# Allegro board SG2042_EVB_V2_0.brd

Outline 243.84 x 304.8 mm; copper layers: TOP, GND02, ART03, GND04, ART05, GND06, ART07, PWR08, GND09, ART10, GND11, ART12, GND13, ART14, GND15, BOTTOM. Coordinates in mm from the lower left corner of the outline.
Outline path: 0,301.8 arc(0.88,303.92) 3,304.8 240.84,304.8 arc(242.96,303.92) 243.84,301.8 243.84,3 arc(242.96,0.88) 240.84,0 3,0 arc(0.88,0.88) 0,3 0,301.8

## Design rules (mm)
constraint set DEFAULT: min track width 0.102
net group ASM2812_PCIE_RX0_N: nets ASM2812_PCIE_RX0_N PCIE0_TXM[15]_L
net group ASM2812_PCIE_RX0_P: nets ASM2812_PCIE_RX0_P PCIE0_TXP[15]_L
net group ASM2812_PCIE_RX1_N: nets ASM2812_PCIE_RX1_N PCIE0_TXM[14]_L
net group ASM2812_PCIE_RX1_P: nets ASM2812_PCIE_RX1_P PCIE0_TXP[14]_L
net group ASM2812_PCIE_RX2_N: nets ASM2812_PCIE_RX2_N PCIE0_TXM[13]_L
net group ASM2812_PCIE_RX2_P: nets ASM2812_PCIE_RX2_P PCIE0_TXP[13]_L
net group ASM2812_PCIE_RX3_N: nets ASM2812_PCIE_RX3_N PCIE0_TXM[12]_L
net group ASM2812_PCIE_RX3_P: nets ASM2812_PCIE_RX3_P PCIE0_TXP[12]_L
net group ASM2812_PCIE_RX4_N: nets ASM2812_PCIE_RX4_N PCIE0_TXM[11]_L
net group ASM2812_PCIE_RX4_P: nets ASM2812_PCIE_RX4_P PCIE0_TXP[11]_L
net group ASM2812_PCIE_RX5_N: nets ASM2812_PCIE_RX5_N PCIE0_TXM[10]_L
net group ASM2812_PCIE_RX5_P: nets ASM2812_PCIE_RX5_P PCIE0_TXP[10]_L
net group ASM2812_PCIE_RX6_N: nets ASM2812_PCIE_RX6_N PCIE0_TXM[9]_L
net group ASM2812_PCIE_RX6_P: nets ASM2812_PCIE_RX6_P PCIE0_TXP[9]_L
net group ASM2812_PCIE_RX7_N: nets ASM2812_PCIE_RX7_N PCIE0_TXM[8]_L
net group ASM2812_PCIE_RX7_P: nets ASM2812_PCIE_RX7_P PCIE0_TXP[8]_L
net group ASM2812_PCIE_TX0_N: nets ASM2812_PCIE_TX0_N N23570729
net group ASM2812_PCIE_TX0_P: nets ASM2812_PCIE_TX0_P N23570731
net group ASM2812_PCIE_TX1_N: nets ASM2812_PCIE_TX1_N N23570733
net group ASM2812_PCIE_TX1_P: nets ASM2812_PCIE_TX1_P N23570718
net group ASM2812_PCIE_TX2_N: nets ASM2812_PCIE_TX2_N N23570723
net group ASM2812_PCIE_TX2_P: nets ASM2812_PCIE_TX2_P N23570725
net group ASM2812_PCIE_TX3_N: nets ASM2812_PCIE_TX3_N N23570730
net group ASM2812_PCIE_TX3_P: nets ASM2812_PCIE_TX3_P N23570732
net group ASM2812_PCIE_TX4_N: nets ASM2812_PCIE_TX4_N N23570721
net group ASM2812_PCIE_TX4_P: nets ASM2812_PCIE_TX4_P N23570722
net group ASM2812_PCIE_TX5_N: nets ASM2812_PCIE_TX5_N N23570727
net group ASM2812_PCIE_TX5_P: nets ASM2812_PCIE_TX5_P N23570728
net group ASM2812_PCIE_TX6_N: nets ASM2812_PCIE_TX6_N N23570719
net group ASM2812_PCIE_TX6_P: nets ASM2812_PCIE_TX6_P N23570720
net group ASM2812_PCIE_TX7_N: nets ASM2812_PCIE_TX7_N N23570724
net group ASM2812_PCIE_TX7_P: nets ASM2812_PCIE_TX7_P N23570726
net group DDR0_PLL_TESTOUT: nets DDR0_PLL_TESTOUT_N DDR0_PLL_TESTOUT_P
net group DDR1_PLL_TESTOUT: nets DDR1_PLL_TESTOUT_N DDR1_PLL_TESTOUT_P
net group DDR2_PLL_TESTOUT: nets DDR2_PLL_TESTOUT_N DDR2_PLL_TESTOUT_P
net group DDR3_PLL_TESTOUT: nets DDR3_PLL_TESTOUT_N DDR3_PLL_TESTOUT_P
net group DM1: nets DM1 USB1_DN
net group DM2: nets DM2 USB2_DN
net group DM3: nets DM3 USB3_DN
net group DM4: nets DM4 USB4_DN
net group DM5: nets DM5 USB5_DN
net group DM6: nets DM6 USB6_DN
net group DP1: nets DP1 USB1_DP
net group DP2: nets DP2 USB2_DP_16773809
net group DP3: nets DP3 USB3_DP
net group DP4: nets DP4 USB4_DP
net group DP5: nets DP5 USB5_DP
net group DP6: nets DP6 USB6_DP
net group EMMC_CD_X: nets EMMC_CD_X N18431005
net group EMMC_CLK: nets EMMC_CLK N16879443
net group EMMC_CMD: nets EMMC_CMD N18430898
net group EMMC_DAT0: nets EMMC_DAT0 N18430900
net group EMMC_DAT1: nets EMMC_DAT1 N18430902
net group EMMC_DAT2: nets EMMC_DAT2 N18430904
net group EMMC_DAT3: nets EMMC_DAT3 N18430906
net group EMMC_PWR_EN: nets EMMC_PWR_EN N18430908
net group EMMC_RST_X: nets EMMC_RST_X N18430910
net group EMMC_WP: nets EMMC_WP N18430912
net group HTX0: nets HTX0+ HTX0-
net group HTX1: nets HTX1+ HTX1-
net group HTX2: nets HTX2+ HTX2-
net group HTXC: nets HTXC+ HTXC-
net group PCIE0_0_REFCLK_M: nets N20251336 PCIE0_0_REFCLK_M
net group PCIE0_0_REFCLK_P: nets N20251326 PCIE0_0_REFCLK_P
net group PCIE0_1_REFCLK_M: nets N17216309 PCIE0_1_REFCLK_M
net group PCIE0_1_REFCLK_P: nets N17216290 PCIE0_1_REFCLK_P
net group PCIE0_2_REFCLK_M: nets N17216441 PCIE0_2_REFCLK_M
net group PCIE0_2_REFCLK_P: nets N17216422 PCIE0_2_REFCLK_P
net group PCIE0_3_REFCLK_M: nets N17216271 PCIE0_3_REFCLK_M
net group PCIE0_3_REFCLK_P: nets N17216252 PCIE0_3_REFCLK_P
net group PCIE0_RX[0]: nets PCIE0_RXM[0] PCIE0_RXP[0]
net group PCIE0_RX[1]: nets PCIE0_RXM[1] PCIE0_RXP[1]
net group PCIE0_RX[2]: nets PCIE0_RXM[2] PCIE0_RXP[2]
net group PCIE0_RX[3]: nets PCIE0_RXM[3] PCIE0_RXP[3]
net group PCIE0_RX[4]: nets PCIE0_RXM[4] PCIE0_RXP[4]
net group PCIE0_RX[5]: nets PCIE0_RXM[5] PCIE0_RXP[5]
net group PCIE0_RX[6]: nets PCIE0_RXM[6] PCIE0_RXP[6]
net group PCIE0_RX[7]: nets PCIE0_RXM[7] PCIE0_RXP[7]
net group PCIE0_TXM[0]: nets PCIE0_TXM[0] PCIE0_TXM[0]_L
net group PCIE0_TXM[1]: nets PCIE0_TXM[1] PCIE0_TXM[1]_L
net group PCIE0_TXM[2]: nets PCIE0_TXM[2] PCIE0_TXM[2]_L
net group PCIE0_TXM[3]: nets PCIE0_TXM[3] PCIE0_TXM[3]_L
net group PCIE0_TXM[4]: nets PCIE0_TXM[4] PCIE0_TXM[4]_L
net group PCIE0_TXM[5]: nets PCIE0_TXM[5] PCIE0_TXM[5]_L
net group PCIE0_TXM[6]: nets PCIE0_TXM[6] PCIE0_TXM[6]_L
net group PCIE0_TXM[7]: nets PCIE0_TXM[7] PCIE0_TXM[7]_L
net group PCIE0_TXP[0]: nets PCIE0_TXP[0] PCIE0_TXP[0]_L
net group PCIE0_TXP[1]: nets PCIE0_TXP[1] PCIE0_TXP[1]_L
net group PCIE0_TXP[2]: nets PCIE0_TXP[2] PCIE0_TXP[2]_L
net group PCIE0_TXP[3]: nets PCIE0_TXP[3] PCIE0_TXP[3]_L
net group PCIE0_TXP[4]: nets PCIE0_TXP[4] PCIE0_TXP[4]_L
net group PCIE0_TXP[5]: nets PCIE0_TXP[5] PCIE0_TXP[5]_L
net group PCIE0_TXP[6]: nets PCIE0_TXP[6] PCIE0_TXP[6]_L
net group PCIE0_TXP[7]: nets PCIE0_TXP[7] PCIE0_TXP[7]_L
net group PCIE1_0_REFCLK_M: nets N21574603 PCIE1_0_REFCLK_M
net group PCIE1_0_REFCLK_P: nets N21574591 PCIE1_0_REFCLK_P
net group PCIE1_1_REFCLK_M: nets N17216485 PCIE1_1_REFCLK_M
net group PCIE1_1_REFCLK_P: nets N17216464 PCIE1_1_REFCLK_P
net group PCIE1_2_REFCLK_M: nets N17216403 PCIE1_2_REFCLK_M
net group PCIE1_2_REFCLK_P: nets N17216384 PCIE1_2_REFCLK_P
net group PCIE1_3_REFCLK_M: nets N17216233 PCIE1_3_REFCLK_M
net group PCIE1_3_REFCLK_P: nets N17216212 PCIE1_3_REFCLK_P
net group PCIE1_RX[0]: nets PCIE1_RXM[0] PCIE1_RXP[0]
net group PCIE1_RX[1]: nets PCIE1_RXM[1] PCIE1_RXP[1]
net group PCIE1_RX[2]: nets PCIE1_RXM[2] PCIE1_RXP[2]
net group PCIE1_RX[3]: nets PCIE1_RXM[3] PCIE1_RXP[3]
net group PCIE1_RX[4]: nets PCIE1_RXM[4] PCIE1_RXP[4]
net group PCIE1_RX[5]: nets PCIE1_RXM[5] PCIE1_RXP[5]
net group PCIE1_RX[6]: nets PCIE1_RXM[6] PCIE1_RXP[6]
net group PCIE1_RX[7]: nets PCIE1_RXM[7] PCIE1_RXP[7]
net group PCIE1_RX[8]: nets PCIE1_RXM[8] PCIE1_RXP[8]
net group PCIE1_RX[9]: nets PCIE1_RXM[9] PCIE1_RXP[9]
net group PCIE1_RX[10]: nets PCIE1_RXM[10] PCIE1_RXP[10]
net group PCIE1_RX[11]: nets PCIE1_RXM[11] PCIE1_RXP[11]
net group PCIE1_RX[12]: nets PCIE1_RXM[12] PCIE1_RXP[12]
net group PCIE1_RX[13]: nets PCIE1_RXM[13] PCIE1_RXP[13]
net group PCIE1_RX[14]: nets PCIE1_RXM[14] PCIE1_RXP[14]
net group PCIE1_RX[15]: nets PCIE1_RXM[15] PCIE1_RXP[15]
net group PCIE1_TXM[0]: nets PCIE1_TXM[0] PCIE1_TXM[0]_L
net group PCIE1_TXM[1]: nets PCIE1_TXM[1] PCIE1_TXM[1]_L
net group PCIE1_TXM[2]: nets PCIE1_TXM[2] PCIE1_TXM[2]_L
net group PCIE1_TXM[3]: nets PCIE1_TXM[3] PCIE1_TXM[3]_L
net group PCIE1_TXM[4]: nets PCIE1_TXM[4] PCIE1_TXM[4]_L
net group PCIE1_TXM[5]: nets PCIE1_TXM[5] PCIE1_TXM[5]_L
net group PCIE1_TXM[6]: nets PCIE1_TXM[6] PCIE1_TXM[6]_L
net group PCIE1_TXM[7]: nets PCIE1_TXM[7] PCIE1_TXM[7]_L
net group PCIE1_TXM[8]: nets PCIE1_TXM[8] PCIE1_TXM[8]_L
net group PCIE1_TXM[9]: nets PCIE1_TXM[9] PCIE1_TXM[9]_L
net group PCIE1_TXM[10]: nets PCIE1_TXM[10] PCIE1_TXM[10]_L
net group PCIE1_TXM[11]: nets PCIE1_TXM[11] PCIE1_TXM[11]_L
net group PCIE1_TXM[12]: nets PCIE1_TXM[12] PCIE1_TXM[12]_L
net group PCIE1_TXM[13]: nets PCIE1_TXM[13] PCIE1_TXM[13]_L
net group PCIE1_TXM[14]: nets PCIE1_TXM[14] PCIE1_TXM[14]_L
net group PCIE1_TXM[15]: nets PCIE1_TXM[15] PCIE1_TXM[15]_L
net group PCIE1_TXP[0]: nets PCIE1_TXP[0] PCIE1_TXP[0]_L
net group PCIE1_TXP[1]: nets PCIE1_TXP[1] PCIE1_TXP[1]_L
net group PCIE1_TXP[2]: nets PCIE1_TXP[2] PCIE1_TXP[2]_L
net group PCIE1_TXP[3]: nets PCIE1_TXP[3] PCIE1_TXP[3]_L
net group PCIE1_TXP[4]: nets PCIE1_TXP[4] PCIE1_TXP[4]_L
net group PCIE1_TXP[5]: nets PCIE1_TXP[5] PCIE1_TXP[5]_L
net group PCIE1_TXP[6]: nets PCIE1_TXP[6] PCIE1_TXP[6]_L
net group PCIE1_TXP[7]: nets PCIE1_TXP[7] PCIE1_TXP[7]_L
net group PCIE1_TXP[8]: nets PCIE1_TXP[8] PCIE1_TXP[8]_L
net group PCIE1_TXP[9]: nets PCIE1_TXP[9] PCIE1_TXP[9]_L
net group PCIE1_TXP[10]: nets PCIE1_TXP[10] PCIE1_TXP[10]_L
net group PCIE1_TXP[11]: nets PCIE1_TXP[11] PCIE1_TXP[11]_L
net group PCIE1_TXP[12]: nets PCIE1_TXP[12] PCIE1_TXP[12]_L
net group PCIE1_TXP[13]: nets PCIE1_TXP[13] PCIE1_TXP[13]_L
net group PCIE1_TXP[14]: nets PCIE1_TXP[14] PCIE1_TXP[14]_L
net group PCIE1_TXP[15]: nets PCIE1_TXP[15] PCIE1_TXP[15]_L
net group PCIE_REFCLK: nets PCIE_REFCLK_M PCIE_REFCLK_P
net group PCIE_SATA_RX_N[0]: nets PCIE_SATA_RX_N[0] SLOT4_PCIE_TX11_N
net group PCIE_SATA_RX_P[0]: nets PCIE_SATA_RX_P[0] SLOT4_PCIE_TX11_P
net group PCIE_SATA_TX_N[0]: nets PCIE_SATA_TX_N[0] SLOT4_PCIE_RX11_N
net group PCIE_SATA_TX_P[0]: nets PCIE_SATA_TX_P[0] SLOT4_PCIE_RX11_P
net group PHY_MDI0+: nets N17144524 PHY_MDI0+
net group PHY_MDI0-: nets N17144531 PHY_MDI0-
net group PHY_MDI1+: nets N17144571 PHY_MDI1+
net group PHY_MDI1-: nets N17144582 PHY_MDI1-
net group PHY_MDI2+: nets N17144609 PHY_MDI2+
net group PHY_MDI2-: nets N17144619 PHY_MDI2-
net group PHY_MDI3+: nets N17144632 PHY_MDI3+
net group PHY_MDI3-: nets N17144641 PHY_MDI3-
net group RGMII: nets RGMII0_IRQ RGMII0_RST_H
net group RGMII0_MDC: nets N18436137 RGMII0_MDC
net group RGMII0_MDIO: nets N18436140 RGMII0_MDIO
net group RGMII0_REFCLKO: nets N19738408 RGMII0_REFCLKO
net group RGMII0_RXC: nets N17142066 RGMII0_RXC
net group RGMII0_RXCTRL: nets N17142082 RGMII0_RXCTRL
net group RGMII0_RXD0: nets N17142098 RGMII0_RXD0
net group RGMII0_RXD1: nets N17142114 RGMII0_RXD1
net group RGMII0_RXD2: nets N17142142 RGMII0_RXD2
net group RGMII0_RXD3: nets N17142158 RGMII0_RXD3
net group RGMII0_TXC: nets N19927520 RGMII0_TXC
net group RGMII0_TXCTRL: nets N19927533 RGMII0_TXCTRL
net group RGMII0_TXD0: nets N19927546 RGMII0_TXD0
net group RGMII0_TXD1: nets N19927559 RGMII0_TXD1
net group RGMII0_TXD2: nets N19927572 RGMII0_TXD2
net group RGMII0_TXD3: nets N19927577 RGMII0_TXD3
net group SDIO_CD_X: nets N16880231 SDIO_CD_X
net group SDIO_CLK: nets N16880032 SDIO_CLK
net group SDIO_CMD: nets N16880080 SDIO_CMD
net group SDIO_DAT0: nets N16880122 SDIO_DAT0
net group SDIO_DAT1: nets N16880147 SDIO_DAT1
net group SDIO_DAT2: nets N16880209 SDIO_DAT2
net group SDIO_DAT3: nets N16880195 SDIO_DAT3
net group SLOT1_PCIE_CLK0_N: nets N23037214 SLOT1_PCIE_CLK0_N
net group SLOT1_PCIE_CLK0_P: nets N23037197 SLOT1_PCIE_CLK0_P
net group SLOT1_PCIE_RX0: nets SLOT1_PCIE_RX0_N SLOT1_PCIE_RX0_P
net group SLOT1_PCIE_RX1: nets SLOT1_PCIE_RX1_N SLOT1_PCIE_RX1_P
net group SLOT1_PCIE_RX2: nets SLOT1_PCIE_RX2_N SLOT1_PCIE_RX2_P
net group SLOT1_PCIE_RX3: nets SLOT1_PCIE_RX3_N SLOT1_PCIE_RX3_P
net group SLOT1_PCIE_TX0_N: nets N19260795 SLOT1_PCIE_TX0_N
net group SLOT1_PCIE_TX0_P: nets N19260792 SLOT1_PCIE_TX0_P
net group SLOT1_PCIE_TX1_N: nets N19260801 SLOT1_PCIE_TX1_N
net group SLOT1_PCIE_TX1_P: nets N19260798 SLOT1_PCIE_TX1_P
net group SLOT1_PCIE_TX2_N: nets N19260807 SLOT1_PCIE_TX2_N
net group SLOT1_PCIE_TX2_P: nets N19260804 SLOT1_PCIE_TX2_P
net group SLOT1_PCIE_TX3_N: nets N19260813 SLOT1_PCIE_TX3_N
net group SLOT1_PCIE_TX3_P: nets N19260810 SLOT1_PCIE_TX3_P
net group SLOT2_PCIE_CLK3_N: nets N23036662 SLOT2_PCIE_CLK3_N
net group SLOT2_PCIE_CLK3_P: nets N23036664 SLOT2_PCIE_CLK3_P
net group SLOT2_PCIE_RX8: nets SLOT2_PCIE_RX8_N SLOT2_PCIE_RX8_P
net group SLOT2_PCIE_RX9: nets SLOT2_PCIE_RX9_N SLOT2_PCIE_RX9_P
net group SLOT2_PCIE_TX8_N: nets N19298330 SLOT2_PCIE_TX8_N
net group SLOT2_PCIE_TX8_P: nets N19298327 SLOT2_PCIE_TX8_P
net group SLOT2_PCIE_TX9_N: nets N19298336 SLOT2_PCIE_TX9_N
net group SLOT2_PCIE_TX9_P: nets N19298333 SLOT2_PCIE_TX9_P
net group SLOT3_PCIE_CLK4_N: nets N23344635 SLOT3_PCIE_CLK4_N
net group SLOT3_PCIE_CLK4_P: nets N23344625 SLOT3_PCIE_CLK4_P
net group SLOT3_PCIE_RX10_N: nets N22271461 SLOT3_PCIE_RX10_N
net group SLOT3_PCIE_RX10_P: nets N22271436 SLOT3_PCIE_RX10_P
net group SLOT3_PCIE_TX10_N: nets N22271367 SLOT3_PCIE_TX10_N
net group SLOT3_PCIE_TX10_P: nets N22271363 SLOT3_PCIE_TX10_P
net group SLOT4_PCIE_CLK5_N: nets N23036660 SLOT4_PCIE_CLK5_N
net group SLOT4_PCIE_CLK5_P: nets N23036663 SLOT4_PCIE_CLK5_P
net group SLOT5_PCIE_CLK0_N: nets N23037082 SLOT5_PCIE_CLK0_N
net group SLOT5_PCIE_CLK0_P: nets N23037065 SLOT5_PCIE_CLK0_P
net group SLOT5_PCIE_RX0: nets SLOT5_PCIE_RX0_N SLOT5_PCIE_RX0_P
net group SLOT5_PCIE_RX1: nets SLOT5_PCIE_RX1_N SLOT5_PCIE_RX1_P
net group SLOT5_PCIE_RX2: nets SLOT5_PCIE_RX2_N SLOT5_PCIE_RX2_P
net group SLOT5_PCIE_RX3: nets SLOT5_PCIE_RX3_N SLOT5_PCIE_RX3_P
net group SLOT5_PCIE_TX0_N: nets NVME0_TX_N0 SLOT5_PCIE_TX0_N
net group SLOT5_PCIE_TX0_P: nets NVME0_TX_P0 SLOT5_PCIE_TX0_P
net group SLOT5_PCIE_TX1_N: nets NVME0_TX_N1 SLOT5_PCIE_TX1_N
net group SLOT5_PCIE_TX1_P: nets NVME0_TX_P1 SLOT5_PCIE_TX1_P
net group SLOT5_PCIE_TX2_N: nets NVME0_TX_N2 SLOT5_PCIE_TX2_N
net group SLOT5_PCIE_TX2_P: nets NVME0_TX_P2 SLOT5_PCIE_TX2_P
net group SLOT5_PCIE_TX3_N: nets NVME0_TX_N3 SLOT5_PCIE_TX3_N
net group SLOT5_PCIE_TX3_P: nets NVME0_TX_P3 SLOT5_PCIE_TX3_P
net group SLOT6_PCIE_CLK3_N: nets N23037010 SLOT6_PCIE_CLK3_N
net group SLOT6_PCIE_CLK3_P: nets N23036993 SLOT6_PCIE_CLK3_P
net group SLOT6_PCIE_RX8_N: nets N23133452 SLOT6_PCIE_RX8_N
net group SLOT6_PCIE_RX8_P: nets N23133443 SLOT6_PCIE_RX8_P
net group SLOT6_PCIE_RX9_N: nets N23133516 SLOT6_PCIE_RX9_N
net group SLOT6_PCIE_RX9_P: nets N23133507 SLOT6_PCIE_RX9_P
net group SLOT6_PCIE_TX8_N: nets N23535963 SLOT6_PCIE_TX8_N
net group SLOT6_PCIE_TX8_P: nets N23535960 SLOT6_PCIE_TX8_P
net group SLOT6_PCIE_TX9_N: nets N23535978 SLOT6_PCIE_TX9_N
net group SLOT6_PCIE_TX9_P: nets N23535975 SLOT6_PCIE_TX9_P
net group SLOT7_PCIE_CLK4_N: nets N23036659 SLOT7_PCIE_CLK4_N
net group SLOT7_PCIE_CLK4_P: nets N23036661 SLOT7_PCIE_CLK4_P
net group SLOT7_PCIE_RX10: nets SLOT7_PCIE_RX10_N SLOT7_PCIE_RX10_P
net group SLOT7_PCIE_TX10_N: nets N22281185 SLOT7_PCIE_TX10_N
net group SLOT7_PCIE_TX10_P: nets N22281151 SLOT7_PCIE_TX10_P
net group SLOT8_PCIE_CLK5_N: nets N23344615 SLOT8_PCIE_CLK5_N
net group SLOT8_PCIE_CLK5_P: nets N23344605 SLOT8_PCIE_CLK5_P
net group SLOT8_PCIE_RX11_N: nets N22472419 SLOT8_PCIE_RX11_N
net group SLOT8_PCIE_RX11_P: nets N22472417 SLOT8_PCIE_RX11_P
net group SLOT8_PCIE_TX11_N: nets N23536127 SLOT8_PCIE_TX11_N
net group SLOT8_PCIE_TX11_P: nets N23536124 SLOT8_PCIE_TX11_P
net group SM768_DM_USB0: nets N23138481 SM768_DM_USB0
net group SM768_DM_USB1: nets N23138521 SM768_DM_USB1
net group SM768_DM_USB2: nets N23138583 SM768_DM_USB2
net group SM768_DM_USB3: nets N23138603 SM768_DM_USB3
net group SM768_DP_USB0: nets N23138461 SM768_DP_USB0
net group SM768_DP_USB1: nets N23138501 SM768_DP_USB1
net group SM768_DP_USB2: nets N23138573 SM768_DP_USB2
net group SM768_DP_USB3: nets N23138593 SM768_DP_USB3
net group SPI0_CS0_X: nets N16966538 SPI0_CS0_X
net group SPI0_CS1_X: nets N16966548 SPI0_CS1_X
net group SPI0_SCK: nets N16966558 SPI0_SCK
net group SPI0_SDI: nets N16966568 SPI0_SDI
net group SPI0_SDO: nets N16966578 SPI0_SDO
net group SPI1_CS0_X: nets N16966460 SPI1_CS0_X
net group SPI1_CS1_X: nets N16966458 SPI1_CS1_X
net group SPI1_SCK: nets N16966459 SPI1_SCK
net group SPI1_SDI: nets N16966457 SPI1_SDI
net group SPI1_SDO: nets N16966486 SPI1_SDO
net group SPI_CLK_10048: nets N17048510 SPI_CLK_10048
net group SPI_CS: nets N19372523 SPI_CS
net group SPI_SCK: nets N19372235 SPI_SCK
net group SPI_SDIO: nets N19372526 SPI_SDIO
net group SPIF0_CLK_SEL0: nets N18761187 SPIF0_CLK_SEL0
net group SPIF0_CLK_SEL1: nets N18761202 SPIF0_CLK_SEL1
net group SPIF0_CS_X: nets N18761567 SPIF0_CS_X
net group SPIF0_HOLD_X: nets N18761531 SPIF0_HOLD_X
net group SPIF0_SCK: nets N18761243 SPIF0_SCK
net group SPIF0_SDI: nets N18761256 SPIF0_SDI
net group SPIF0_SDO: nets N18761269 SPIF0_SDO
net group SPIF0_WP_X: nets N18761282 SPIF0_WP_X
net group SPIF1_CLK_SEL0: nets N18761295 SPIF1_CLK_SEL0
net group SPIF1_CLK_SEL1: nets N18761308 SPIF1_CLK_SEL1
net group SPIF1_CS_X: nets N18761323 SPIF1_CS_X
net group SPIF1_HOLD_X: nets N18761336 SPIF1_HOLD_X
net group SPIF1_SCK: nets N18761349 SPIF1_SCK
net group SPIF1_SDI: nets N18761362 SPIF1_SDI
net group SPIF1_SDO: nets N18761375 SPIF1_SDO
net group SPIF1_WP_X: nets N18761388 SPIF1_WP_X
net group SPISCK: nets N27750765 SPISCK
net group SPISI: nets N27750814 SPISI
net group SPISO: nets N27750846 SPISO
net group SRX_A_N: nets SRX_A_N SRX_A_N_L
net group SRX_A_P: nets SRX_A_P SRX_A_P_L
net group SRX_B_N: nets SRX_B_N SRX_B_N_L
net group SRX_B_P: nets SRX_B_P SRX_B_P_L
net group STX_A_N: nets STX_A_N STX_A_N_L
net group STX_A_P: nets STX_A_P STX_A_P_L
net group STX_B_N: nets STX_B_N STX_B_N_L
net group STX_B_P: nets STX_B_P STX_B_P_L
net group USB2_0-7: nets USB7_DN USB7_DP
net group USB2_0-8: nets USB8_DN USB8_DP
net group USB2_DM: nets N18066499 USB2_DM
net group USB2_DP: nets N18066514 USB2_DP
net group USB7_RX_N: nets N22472430 USB7_RX_N
net group USB7_RX_P: nets N22472429 USB7_RX_P
net group USB7_TX_N: nets N22472408 USB7_TX_N
net group USB7_TX_P: nets N22472407 USB7_TX_P
net group USB8_RX_N: nets N22472432 USB8_RX_N
net group USB8_RX_P: nets N22472431 USB8_RX_P
net group USB8_TX_N: nets N22472347 USB8_TX_N
net group USB8_TX_P: nets N22472345 USB8_TX_P
net group 12V: nets 12V_BP +12V_ATX N22487535 N22488220 N22488934 N22489675 SLOT1_12V SLOT2_12V SLOT7_12V VDD_12V VDD_PCIE0_12V VDD_PCIE1_12V
net group DIMM0_C: nets DDR0_ACT_N DDR0_BA0 DDR0_BA1 DDR0_BG0 DDR0_BG1 DDR0_CID0 DDR0_CID1 DDR0_CKE0 DDR0_CKE1 DDR0_CS_N0 DDR0_CS_N1 DDR0_MA0 DDR0_MA1 DDR0_MA2 DDR0_MA3 DDR0_MA4 DDR0_MA5 DDR0_MA6 DDR0_MA7 DDR0_MA8 DDR0_MA9 DDR0_MA10 DDR0_MA11 DDR0_MA12 DDR0_MA13 DDR0_MA14 DDR0_MA15 DDR0_MA16 DDR0_MA17 DDR0_ODT0 DDR0_ODT1 DDR0_PAR
net group DIMM0_CA: nets DDR0_ALERT_N DDR0_ATB0 DDR0_ATB1 DDR0_CAL_0 DDR0_RESET_N
net group DIMM0_D_0[0-7]: nets DDR0_DQ0 DDR0_DQ1 DDR0_DQ2 DDR0_DQ3 DDR0_DQS0_N DDR0_DQS0_P
net group DIMM0_D_0[4-7](X4): nets DDR0_DM0_N DDR0_DM0_P DDR0_DQ4 DDR0_DQ5 DDR0_DQ6 DDR0_DQ7
net group DIMM0_D_1[8-15]: nets DDR0_DQ8 DDR0_DQ9 DDR0_DQ10 DDR0_DQ11 DDR0_DQS1_N DDR0_DQS1_P
net group DIMM0_D_1[12-15](X4): nets DDR0_DM1_N DDR0_DM1_P DDR0_DQ12 DDR0_DQ13 DDR0_DQ14 DDR0_DQ15
net group DIMM0_D_2[16-23]: nets DDR0_DQ16 DDR0_DQ17 DDR0_DQ18 DDR0_DQ19 DDR0_DQS2_N DDR0_DQS2_P
net group DIMM0_D_2[20-23](X4): nets DDR0_DM2_N DDR0_DM2_P DDR0_DQ20 DDR0_DQ21 DDR0_DQ22 DDR0_DQ23
net group DIMM0_D_3[24-31]: nets DDR0_DQ24 DDR0_DQ25 DDR0_DQ26 DDR0_DQ27 DDR0_DQS3_N DDR0_DQS3_P
net group DIMM0_D_3[28-31](X4): nets DDR0_DM3_N DDR0_DM3_P DDR0_DQ28 DDR0_DQ29 DDR0_DQ30 DDR0_DQ31
net group DIMM0_D_4[32-39]: nets DDR0_DQ32 DDR0_DQ33 DDR0_DQ34 DDR0_DQ35 DDR0_DQS4_N DDR0_DQS4_P
net group DIMM0_D_4[36-39](X4): nets DDR0_DM4_N DDR0_DM4_P DDR0_DQ36 DDR0_DQ37 DDR0_DQ38 DDR0_DQ39
net group DIMM0_D_5[40-47]: nets DDR0_DQ40 DDR0_DQ41 DDR0_DQ42 DDR0_DQ43 DDR0_DQS5_N DDR0_DQS5_P
net group DIMM0_D_5[44-47](X4): nets DDR0_DM5_N DDR0_DM5_P DDR0_DQ44 DDR0_DQ45 DDR0_DQ46 DDR0_DQ47
net group DIMM0_D_6[48-55]: nets DDR0_DQ48 DDR0_DQ49 DDR0_DQ50 DDR0_DQ51 DDR0_DQS6_N DDR0_DQS6_P
net group DIMM0_D_6[52-55](X4): nets DDR0_DM6_N DDR0_DM6_P DDR0_DQ52 DDR0_DQ53 DDR0_DQ54 DDR0_DQ55
net group DIMM0_D_7[56-63]: nets DDR0_DQ56 DDR0_DQ57 DDR0_DQ58 DDR0_DQ59 DDR0_DQS7_N DDR0_DQS7_P
net group DIMM0_D_7[60-63](X4): nets DDR0_DM7_N DDR0_DM7_P DDR0_DQ60 DDR0_DQ61 DDR0_DQ62 DDR0_DQ63
net group DIMM0_D_ECC[0-7]: nets DDR0_ECC_DQ0 DDR0_ECC_DQ1 DDR0_ECC_DQ2 DDR0_ECC_DQ3 DDR0_ECC_DQS_N DDR0_ECC_DQS_P
net group DIMM0_D_ECC[4-7](X4): nets DDR0_ECC_DM_N DDR0_ECC_DM_P DDR0_ECC_DQ4 DDR0_ECC_DQ5 DDR0_ECC_DQ6 DDR0_ECC_DQ7
net group DIMM1_C: nets DDR1_ACT_N DDR1_BA0 DDR1_BA1 DDR1_BG0 DDR1_BG1 DDR1_CID0 DDR1_CID1 DDR1_CKE0 DDR1_CKE1 DDR1_CLK0_N DDR1_CLK0_P DDR1_CLK1_N DDR1_CLK1_P DDR1_CS_N0 DDR1_CS_N1 DDR1_MA0 DDR1_MA1 DDR1_MA2 DDR1_MA3 DDR1_MA4 DDR1_MA5 DDR1_MA6 DDR1_MA7 DDR1_MA8 DDR1_MA9 DDR1_MA10 DDR1_MA11 DDR1_MA12 DDR1_MA13 DDR1_MA14 DDR1_MA15 DDR1_MA16 DDR1_MA17 DDR1_ODT0 DDR1_ODT1 DDR1_PAR
net group DIMM1_CA: nets DDR1_ALERT_N DDR1_ATB0 DDR1_ATB1 DDR1_CAL_0 DDR1_RESET_N
net group DIMM1_D_0[0-7]: nets DDR1_DQ0 DDR1_DQ1 DDR1_DQ2 DDR1_DQ3 DDR1_DQS0_N DDR1_DQS0_P
net group DIMM1_D_0[4-7](X4): nets DDR1_DM0_N DDR1_DM0_P DDR1_DQ4 DDR1_DQ5 DDR1_DQ6 DDR1_DQ7
net group DIMM1_D_1[8-15]: nets DDR1_DQ8 DDR1_DQ9 DDR1_DQ10 DDR1_DQ11 DDR1_DQS1_N DDR1_DQS1_P
net group DIMM1_D_1[12-15](X4): nets DDR1_DM1_N DDR1_DM1_P DDR1_DQ12 DDR1_DQ13 DDR1_DQ14 DDR1_DQ15
net group DIMM1_D_2[16-23]: nets DDR1_DQ16 DDR1_DQ17 DDR1_DQ18 DDR1_DQ19 DDR1_DQS2_N DDR1_DQS2_P
net group DIMM1_D_2[20-23](X4): nets DDR1_DM2_N DDR1_DM2_P DDR1_DQ20 DDR1_DQ21 DDR1_DQ22 DDR1_DQ23
net group DIMM1_D_3[24-31]: nets DDR1_DQ24 DDR1_DQ25 DDR1_DQ26 DDR1_DQ27 DDR1_DQS3_N DDR1_DQS3_P
net group DIMM1_D_3[28-31](X4): nets DDR1_DM3_N DDR1_DM3_P DDR1_DQ28 DDR1_DQ29 DDR1_DQ30 DDR1_DQ31
net group DIMM1_D_4[32-39]: nets DDR1_DQ32 DDR1_DQ33 DDR1_DQ34 DDR1_DQ35 DDR1_DQS4_N DDR1_DQS4_P
net group DIMM1_D_4[36-39(X4): nets DDR1_DM4_N DDR1_DM4_P DDR1_DQ36 DDR1_DQ37 DDR1_DQ38 DDR1_DQ39
net group DIMM1_D_5[40-47]: nets DDR1_DQ40 DDR1_DQ41 DDR1_DQ42 DDR1_DQ43 DDR1_DQS5_N DDR1_DQS5_P
net group DIMM1_D_5[44-47](X4): nets DDR1_DM5_N DDR1_DM5_P DDR1_DQ44 DDR1_DQ45 DDR1_DQ46 DDR1_DQ47
net group DIMM1_D_6[48-55]: nets DDR1_DQ48 DDR1_DQ49 DDR1_DQ50 DDR1_DQ51 DDR1_DQS6_N DDR1_DQS6_P
net group DIMM1_D_6[52-55](X4): nets DDR1_DM6_N DDR1_DM6_P DDR1_DQ52 DDR1_DQ53 DDR1_DQ54 DDR1_DQ55
net group DIMM1_D_7[56-63]: nets DDR1_DQ56 DDR1_DQ57 DDR1_DQ58 DDR1_DQ59 DDR1_DQS7_N DDR1_DQS7_P
net group DIMM1_D_7[60-63](X4): nets DDR1_DM7_N DDR1_DM7_P DDR1_DQ60 DDR1_DQ61 DDR1_DQ62 DDR1_DQ63
net group DIMM1_D_ECC[0-7]: nets DDR1_ECC_DQ0 DDR1_ECC_DQ1 DDR1_ECC_DQ2 DDR1_ECC_DQ3 DDR1_ECC_DQS_N DDR1_ECC_DQS_P
net group DIMM1_D_ECC[4-7](X4): nets DDR1_ECC_DM_N DDR1_ECC_DM_P DDR1_ECC_DQ4 DDR1_ECC_DQ5 DDR1_ECC_DQ6 DDR1_ECC_DQ7
net group DIMM2_C: nets DDR2_ACT_N DDR2_BA0 DDR2_BA1 DDR2_BG0 DDR2_BG1 DDR2_CID0 DDR2_CID1 DDR2_CKE0 DDR2_CKE1 DDR2_CLK0_N DDR2_CLK0_P DDR2_CLK1_N DDR2_CLK1_P DDR2_CS_N0 DDR2_CS_N1 DDR2_MA0 DDR2_MA1 DDR2_MA2 DDR2_MA3 DDR2_MA4 DDR2_MA5 DDR2_MA6 DDR2_MA7 DDR2_MA8 DDR2_MA9 DDR2_MA10 DDR2_MA11 DDR2_MA12 DDR2_MA13 DDR2_MA14 DDR2_MA15 DDR2_MA16 DDR2_MA17 DDR2_ODT0 DDR2_ODT1 DDR2_PAR
net group DIMM2_CA: nets DDR2_ALERT_N DDR2_ATB0 DDR2_ATB1 DDR2_CAL_0 DDR2_RESET_N
net group DIMM2_D_0[0-7]: nets DDR2_DQ0 DDR2_DQ1 DDR2_DQ2 DDR2_DQ3 DDR2_DQS0_N DDR2_DQS0_P
net group DIMM2_D_0[4-7](X4): nets DDR2_DM0_N DDR2_DM0_P DDR2_DQ4 DDR2_DQ5 DDR2_DQ6 DDR2_DQ7
net group DIMM2_D_1[8-15]: nets DDR2_DQ8 DDR2_DQ9 DDR2_DQ10 DDR2_DQ11 DDR2_DQS1_N DDR2_DQS1_P
net group DIMM2_D_1[12-15](X4): nets DDR2_DM1_N DDR2_DM1_P DDR2_DQ12 DDR2_DQ13 DDR2_DQ14 DDR2_DQ15
net group DIMM2_D_2[16-23]: nets DDR2_DQ16 DDR2_DQ17 DDR2_DQ18 DDR2_DQ19 DDR2_DQS2_N DDR2_DQS2_P
net group DIMM2_D_2[20-23](X4): nets DDR2_DM2_N DDR2_DM2_P DDR2_DQ20 DDR2_DQ21 DDR2_DQ22 DDR2_DQ23
net group DIMM2_D_3[24-31]: nets DDR2_DQ24 DDR2_DQ25 DDR2_DQ26 DDR2_DQ27 DDR2_DQS3_N DDR2_DQS3_P
net group DIMM2_D_3[28-31](X4): nets DDR2_DM3_N DDR2_DM3_P DDR2_DQ28 DDR2_DQ29 DDR2_DQ30 DDR2_DQ31
net group DIMM2_D_4[32-39]: nets DDR2_DQ32 DDR2_DQ33 DDR2_DQ34 DDR2_DQ35 DDR2_DQS4_N DDR2_DQS4_P
net group DIMM2_D_4[36-39](X4): nets DDR2_DM4_N DDR2_DM4_P DDR2_DQ36 DDR2_DQ37 DDR2_DQ38 DDR2_DQ39
net group DIMM2_D_5[40-47]: nets DDR2_DQ40 DDR2_DQ41 DDR2_DQ42 DDR2_DQ43 DDR2_DQS5_N DDR2_DQS5_P
net group DIMM2_D_5[44-47](X4): nets DDR2_DM5_N DDR2_DM5_P DDR2_DQ44 DDR2_DQ45 DDR2_DQ46 DDR2_DQ47
net group DIMM2_D_6[48-55]: nets DDR2_DQ48 DDR2_DQ49 DDR2_DQ50 DDR2_DQ51 DDR2_DQS6_N DDR2_DQS6_P
net group DIMM2_D_6[52-55](X4): nets DDR2_DM6_N DDR2_DM6_P DDR2_DQ52 DDR2_DQ53 DDR2_DQ54 DDR2_DQ55
net group DIMM2_D_7[56-63]: nets DDR2_DQ56 DDR2_DQ57 DDR2_DQ58 DDR2_DQ59 DDR2_DQS7_N DDR2_DQS7_P
net group DIMM2_D_7[60-63](X4): nets DDR2_DM7_N DDR2_DM7_P DDR2_DQ60 DDR2_DQ61 DDR2_DQ62 DDR2_DQ63
net group DIMM2_D_ECC[0-7]: nets DDR2_ECC_DQ0 DDR2_ECC_DQ1 DDR2_ECC_DQ2 DDR2_ECC_DQ3 DDR2_ECC_DQS_N DDR2_ECC_DQS_P
net group DIMM2_D_ECC[4-7](X4): nets DDR2_ECC_DM_N DDR2_ECC_DM_P DDR2_ECC_DQ4 DDR2_ECC_DQ5 DDR2_ECC_DQ6 DDR2_ECC_DQ7
net group DIMM3_C: nets DDR3_ACT_N DDR3_BA0 DDR3_BA1 DDR3_BG0 DDR3_BG1 DDR3_CID0 DDR3_CID1 DDR3_CKE0 DDR3_CKE1 DDR3_CLK0_N DDR3_CLK0_P DDR3_CLK1_N DDR3_CLK1_P DDR3_CS_N0 DDR3_CS_N1 DDR3_MA0 DDR3_MA1 DDR3_MA2 DDR3_MA3 DDR3_MA4 DDR3_MA5 DDR3_MA6 DDR3_MA7 DDR3_MA8 DDR3_MA9 DDR3_MA10 DDR3_MA11 DDR3_MA12 DDR3_MA13 DDR3_MA14 DDR3_MA15 DDR3_MA16 DDR3_MA17 DDR3_ODT0 DDR3_ODT1 DDR3_PAR
net group DIMM3_CA: nets DDR3_ALERT_N DDR3_ATB0 DDR3_ATB1 DDR3_CAL_0 DDR3_RESET_N
net group DIMM3_D_0[0-7]: nets DDR3_DQ0 DDR3_DQ1 DDR3_DQ2 DDR3_DQ3 DDR3_DQS0_N DDR3_DQS0_P